# Altium PCB FPGA扩展板01.PcbDoc
Units mil, origin at the board's own origin, x right, y up, seen from the top; angles counter-clockwise.
Board outline 3937.01 x 3937.01 mil, 2 copper layers (Top Layer, Bottom Layer); 99 components, 130 nets, 429 pads, 98 vias.
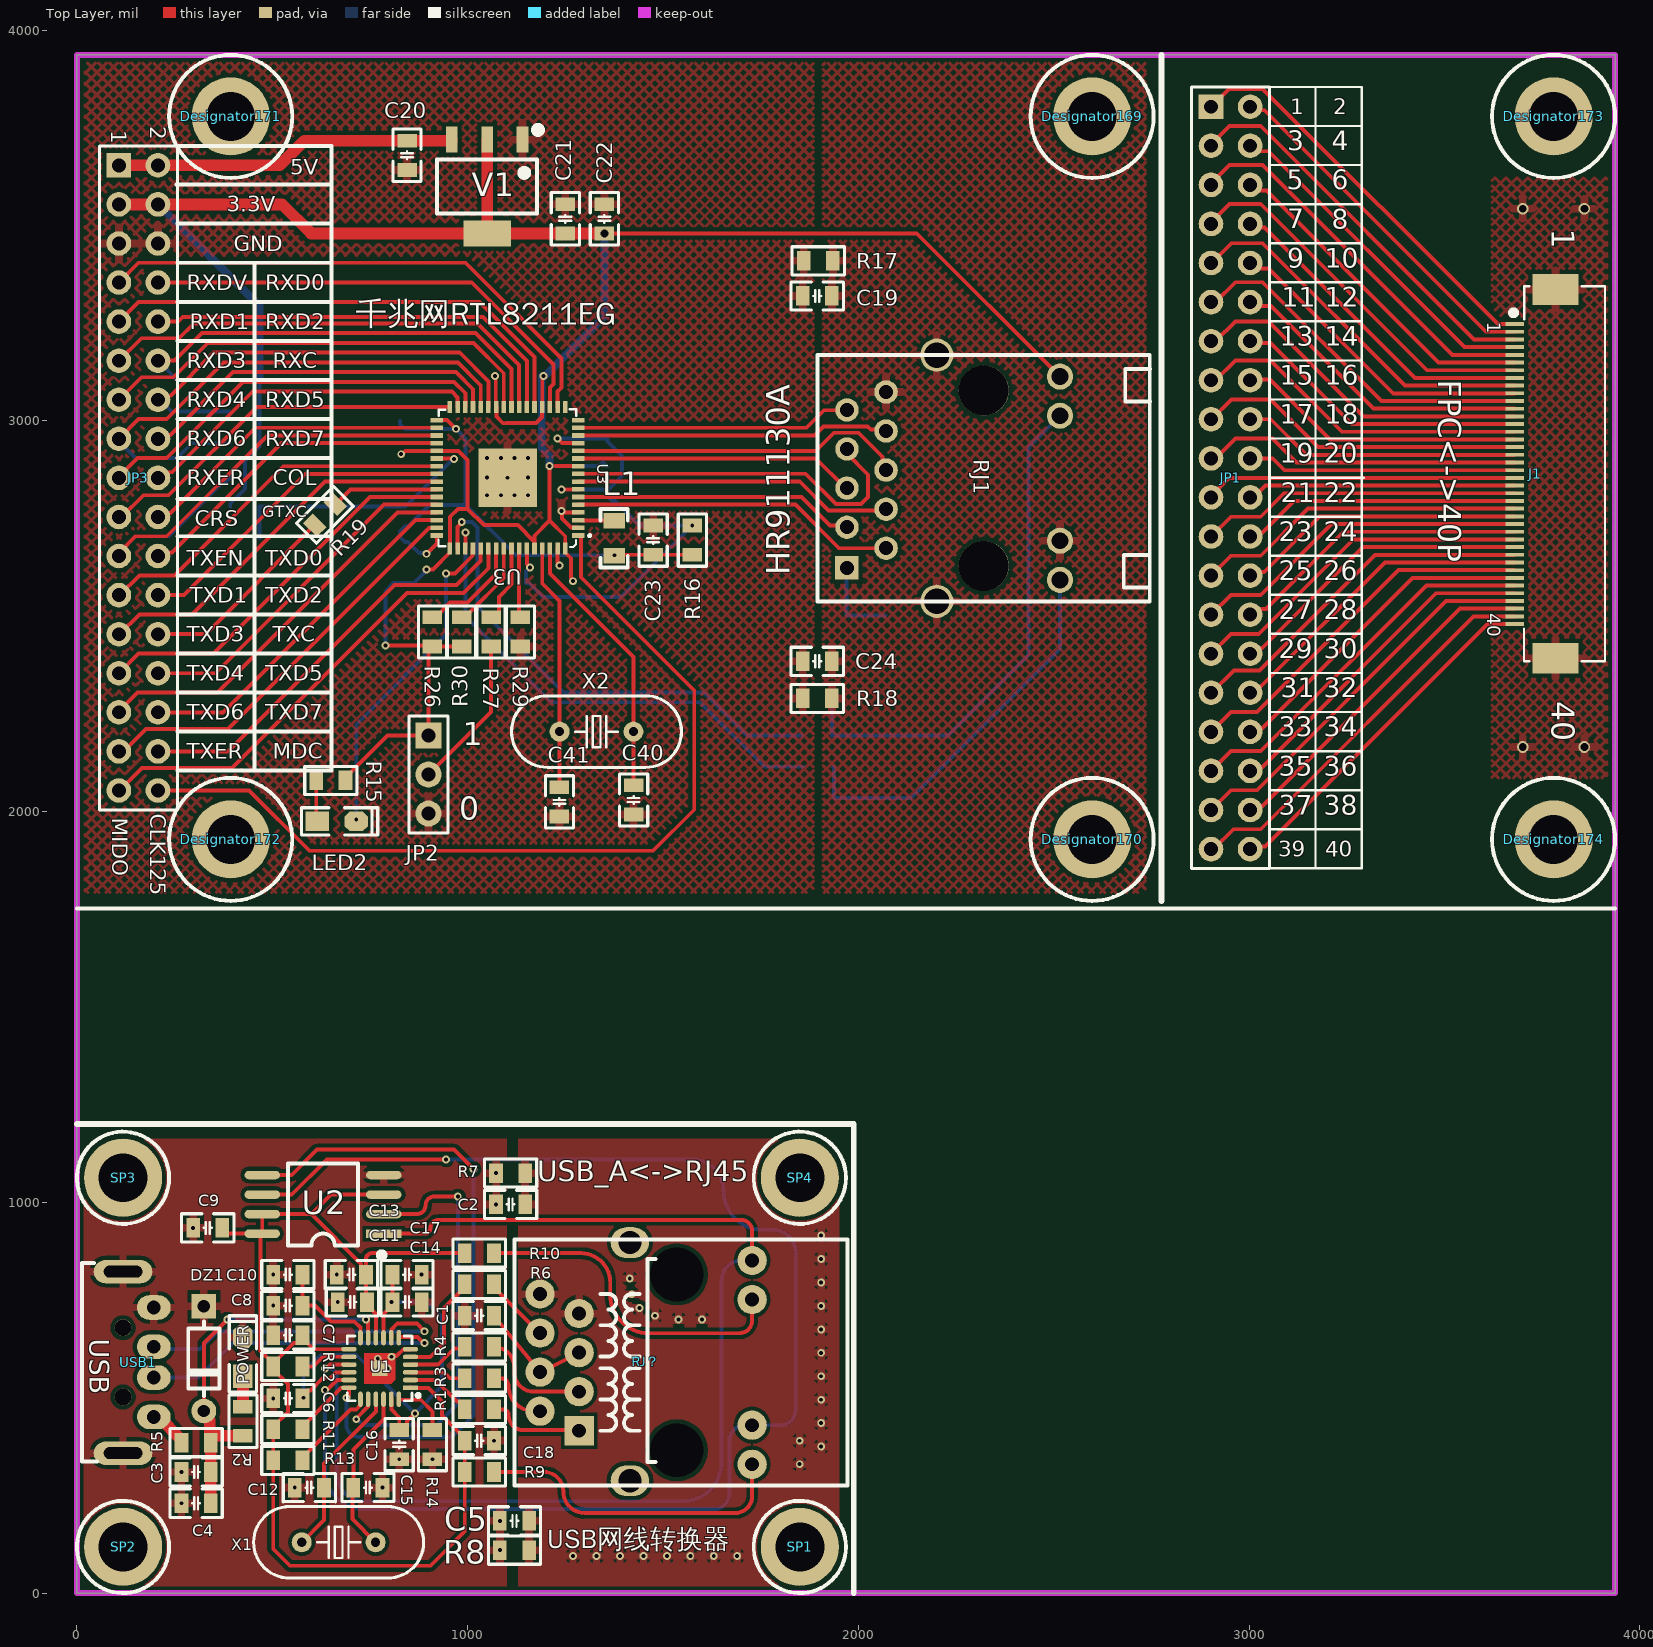
[diagram p0: Top Layer view]
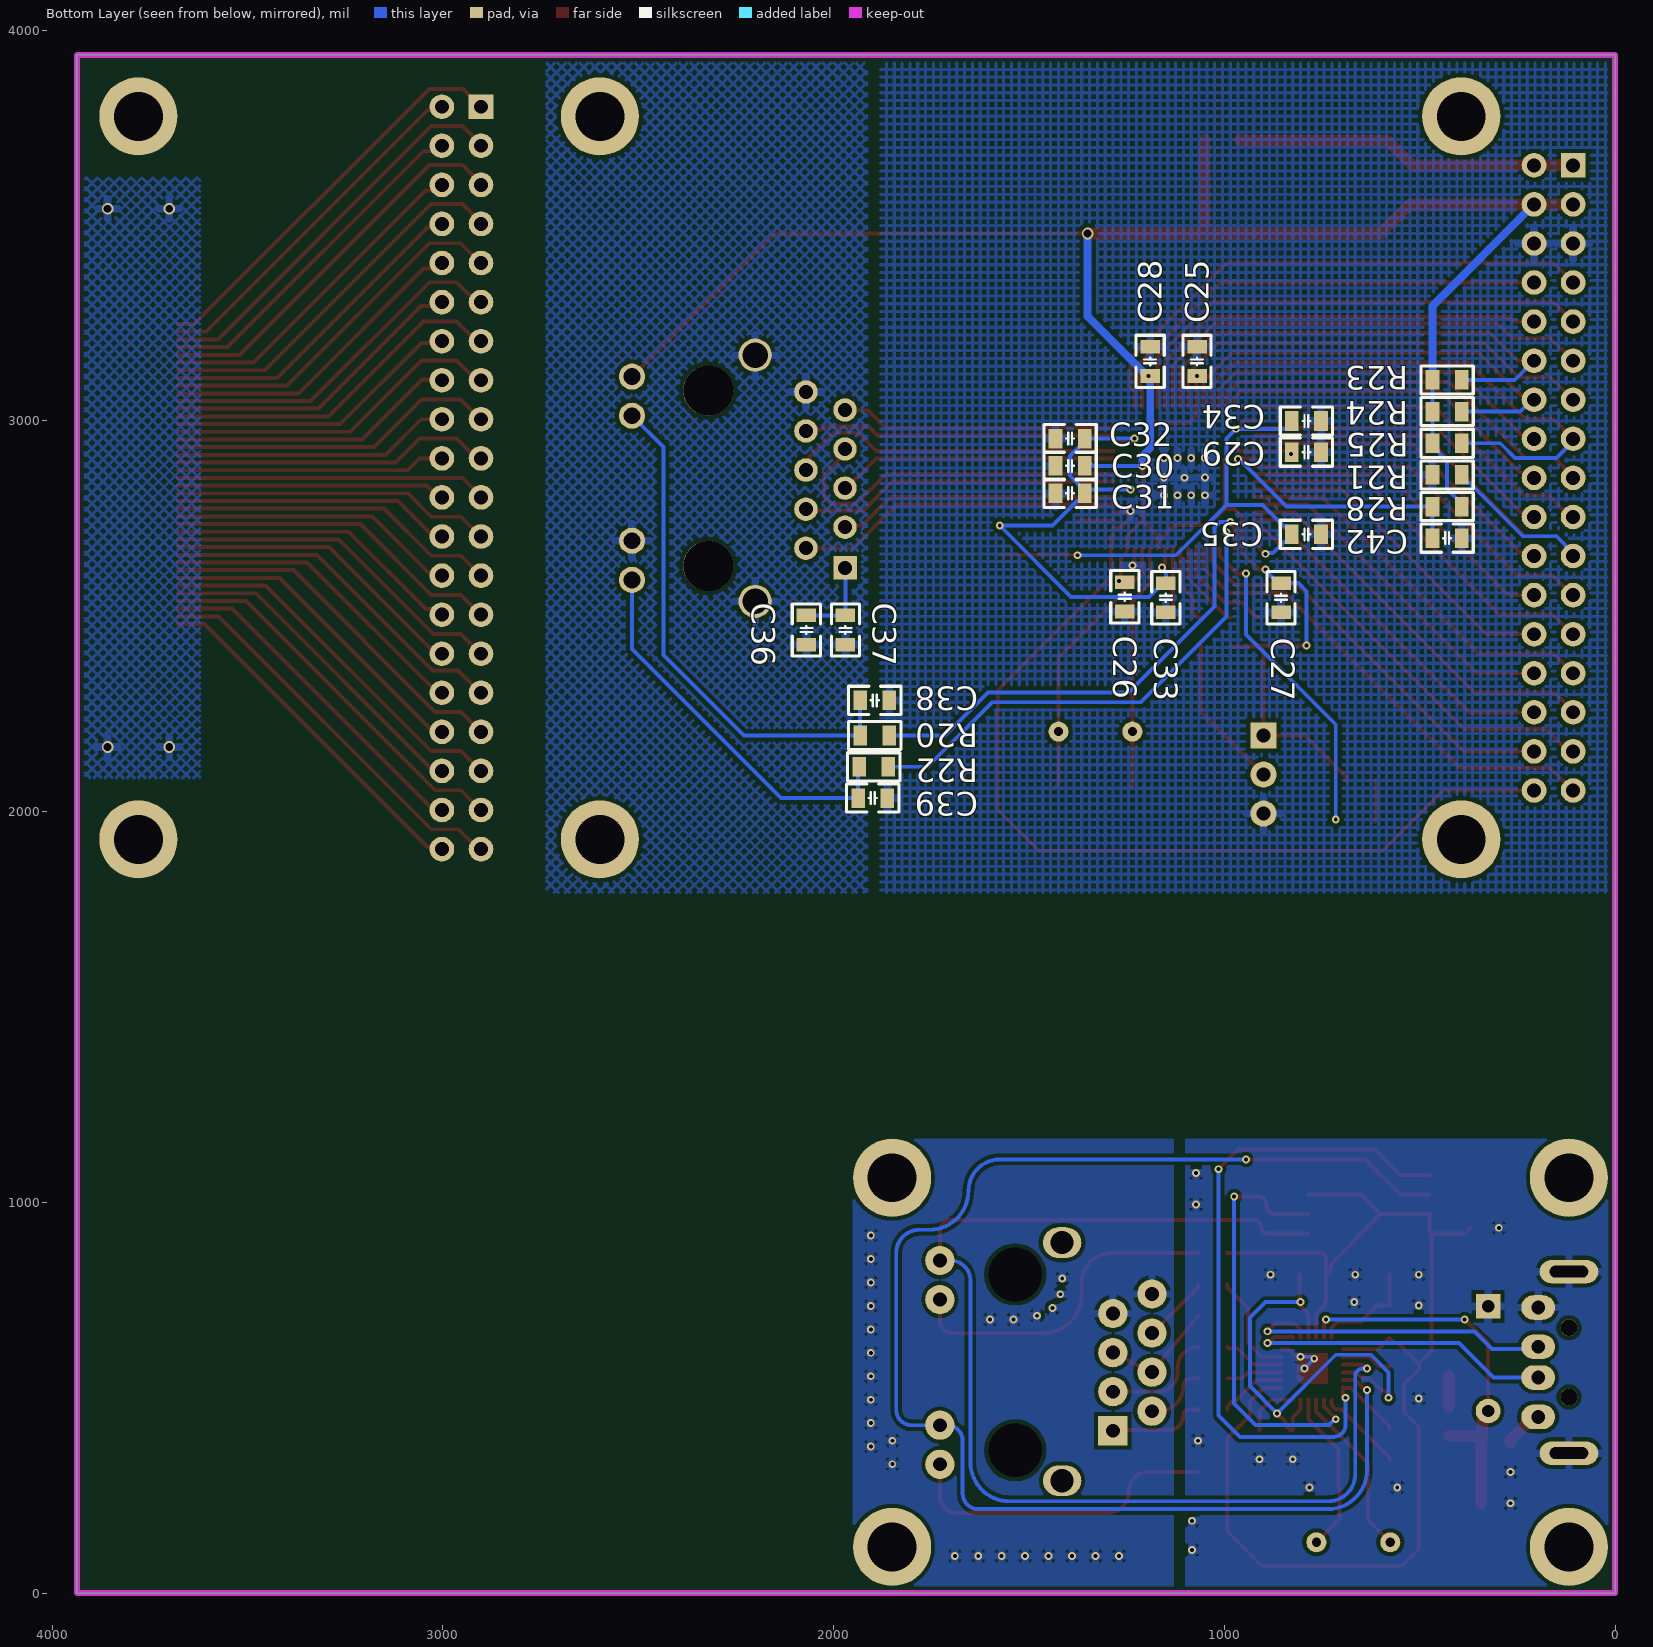
[diagram p1: Bottom Layer view, seen from below]

## Layer stack, top to bottom
Top Solder: solder mask 0.4, Solder Resist, Dk 3.5
Top Layer: signal copper 1.4
Dielectric 1: dielectric 12.6, FR-4, Dk 4.8
Bottom Layer: signal copper 1.4
Bottom Solder: solder mask 0.4, Solder Resist, Dk 3.5

## Board outline
0,0 3937.01,0 3937.01,3937.01 0,3937.01

## Design rules (kind name [scope] priority, off if disabled: settings)
Clearance [All] p1: gap=6 ignorepadtopadclearanceinfootprint=TRUE except(10: Arc-Fill Arc-Poly Arc-Region Track-Fill Track-Poly Track-Region SMDPad-Fill SMDPad-Poly SMDPad-Region THPad-Fill THPad-Poly THPad-Region Via-Fill Via-Poly Via-Region Fill-Fill Fill-Poly Fill-Region Poly-Poly Poly-Region Region-Region)
PlaneConnect [All] p1: planeconnectstyle=Relief reliefexpansion=20 reliefentries=4 reliefconductorwidth=20 reliefairgap=10
PolygonConnect [All] p1: connectstyle=Relief reliefconductorwidth=20 reliefentries=4 polygonreliefangle="90 Angle" airgapwidth=10
RoutingVias [All] p1: holewidth=28 width=50 viastyle="Through Hole" minholewidth=28 minwidth=50 maxholewidth=28 maxwidth=50
SolderMaskExpansion [All] p1: expansion=4 istentingtop=FALSE
Width [All] p1: maxlimit=30 minlimit=10 preferedwidth=10
29 further rules are at their usual default settings.

## Classes and differential pairs
component class FPGA扩展板01: C1 C2 C3 C4 C5 C6 C7 C8 C9 C10 C11 C12 C13 C14 C15 C16 C17 C18 C19 C20 C21 C22 C23 C24 C25 C26 C27 C28 C29 C30 C31 C32 C33 C34 C35 C36 C37 C38 C39 C40 C41 C42 DZ1 J1 JP1 JP2 JP3 L1 LED2 POWER R1 R2 R3 R4 R5 R6 R7 R8 R9 R10 R11 R12 R13 R14 R15 R16 R17 R18 R19 R20 R21 R22 R23 R24 R25 R26 R27 R28 R29 R30 RJ1 RJ？ SP1 SP2 SP3 SP4 U1 U2 U3 USB1 V1 X1 X2

## Components (designator, comment, footprint, x,y, rotation, side; value= is the part's Value field where it differs from the comment)
C1 "104" "C 0805_L" 1030,710 r180 top locked
C2 "104" "C 0805_L" 1110,995 r0 top locked
C3 "104" "C 0805_L" 305,310 r180 top locked
C4 "10uF" "C 0805_L" 305,230 r180 top locked
C5 "104" "C 0805_L" 1120,185 r0 top locked
C6 "104" "C 0805_L" 540,498.34 r0 top locked
C7 "104" "C 0805_L" 540,660 r180 top locked
C8 "105" "C 0805_L" 540,735.83 r180 top locked
C9 "104" "C 0805_L" 335,935 r0 top locked
C10 "104" "C 0805_L" 540,815 r180 top locked
C11 "105" "C 0805_L" 705,745 r180 top locked
C12 "27" "C 0805_L" 595,270 r0 top locked
C13 "104" "C 0805_L" 702.6,815 r180 top locked
C14 "105" "C 0805_L" 845,745 r0 top locked
C15 "27" "C 0805_L" 745,270 r180 top locked
C16 "104" "C 0805_L" 825,380 r90 top locked
C17 "104" "C 0805_L" 845,815 r0 top locked
C18 "104" "C 0805_L" 1030,390 r0 top locked
C19 "104" "C 0805_L" 1895,3320 r0 top
C20 "10u" "C 0805_L" 845,3680 r90 top
C21 "10u" "C 0805_L" 1250,3517.4 r270 top
C22 "104" "C 0805_L" 1350,3517.4 r270 top
C23 "10u" "C 0805_L" 1475,2695 r270 top
C24 "104" "C 0805_L" 1895,2385 r0 top
C25 "104" "C 0805_L" 1070,3152.4 r270 bottom
C26 "104" "C 0805_L" 1255,2550 r90 bottom
C27 "104" "C 0805_L" 855,2547.6 r90 bottom
C28 "104" "C 0805_L" 1190,3152.4 r270 bottom
C29 "104" "C 0805_L" 790,2920 r0 bottom
C30 "104" "C 0805_L" 1395,2885 r180 bottom
C31 "104" "C 0805_L" 1395,2815 r180 bottom
C32 "104" "C 0805_L" 1395,2955 r180 bottom
C33 "104" "C 0805_L" 1150,2547.6 r90 bottom
C34 "104" "C 0805_L" 790,3000 r0 bottom
C35 "104" "C 0805_L" 790,2710 r0 bottom
C36 "104" "C 0805_L" 2070,2465 r270 bottom
C37 "104" "C 0805_L" 1970,2465 r270 bottom
C38 "104" "C 0805_L" 1895,2285 r180 bottom
C39 "104" "C 0805_L" 1900,2035 r180 bottom
C40 "27" "C 0805_L" 1425,2030 r270 top
C41 "27" "C 0805_L" 1235,2025 r270 top
C42 "104" "C 0805_L" 430,2700 r180 bottom
Designator169 "Comment" M3x10_L 2598.43,3779.53 r0 top locked
Designator170 "Comment" M3x10_L 2598.43,1929.13 r0 top locked
Designator171 "Comment" M3x10_L 393.7,3779.53 r0 top locked
Designator172 "Comment" M3x10_L 393.7,1929.13 r0 top locked
Designator173 "Comment" M3x10_L 3779.53,3779.53 r0 top locked
Designator174 "Comment" M3x10_L 3779.53,1929.13 r0 top locked
DZ1 "1N4625" DO-35 325,600 r270 top locked
J1 "RGBLCD" FPC-TOP40 3676,3248.03 r270 top locked
JP1 "Header 2X11" HDR2.54-LI-2x20P 2952.76,2854.33 r270 top locked
JP2 "HDR-1X3" HDR2.54-LI-3P 900,2095 r270 top
JP3 "Header 2X11" HDR2.54-LI-2x17P 157.48,2854.33 r270 top locked
L1 "22uH" "L 0805" 1375,2700 r270 top
LED2 "红色" "LED 0805G" 665,1975 r0 top
POWER "红色" "LED 0805G" 425,605 r90 top locked (schematic designator LED1)
R1 "50R" "R 0805_L" 1030,470 r0 top locked
R2 "10K" "R 0805_L" 425,440 r90 top locked
R3 "50R" "R 0805_L" 1030,550 r0 top locked
R4 "50R" "R 0805_L" 1030,630 r0 top locked
R5 "0" "R 0805_L" 305,385 r0 top locked
R6 "50R" "R 0805_L" 1030,790 r0 top locked
R7 "0" "R 0805_L" 1110,1075 r0 top locked
R8 "0" "R 0805_L" 1120,110 r0 top locked
R9 "1K" "R 0805_L" 1030,310 r0 top locked
R10 "1K" "R 0805_L" 1030,870 r0 top locked
R11 "10K" "R 0805_L" 540,419.16 r180 top locked
R12 "10K" "R 0805_L" 540,580 r180 top locked
R13 "10K" "R 0805_L" 540,340 r0 top locked
R14 "2.49KK" "R 0805_L" 910,380 r270 top locked
R15 "1K" "R 0805_L" 650,2080 r180 top
R16 "0" "R 0805_L" 1575,2695 r90 top
R17 "0" "R 0805_L" 1897.6,3410 r0 top
R18 "0" "R 0805_L" 1895,2290 r0 top
R19 "33" "R 0805_L" 635,2760 r45 top
R20 "510R" "R 0805_L" 1895,2195 r0 bottom
R21 "1k" "R 0805_L" 430,2861.99 r180 bottom
R22 "510R" "R 0805_L" 1897.6,2115 r0 bottom
R23 "10k" "R 0805_L" 430,3105 r180 bottom
R24 "10k" "R 0805_L" 430,3024 r180 bottom
R25 "10k" "R 0805_L" 430,2943 r180 bottom
R26 "10k" "R 0805_L" 910,2460 r90 top
R27 "1k" "R 0805_L" 1060,2460 r90 top
R28 "10k" "R 0805_L" 430,2780.99 r0 bottom
R29 "2.49k" "R 0805_L" 1135,2460 r90 top
R30 "10k" "R 0805_L" 985,2460 r90 top
RJ1 "HR911130A" RJ_45 2559.06,2940.94 r270 top locked
RJ？ "HR911105A" RJ-45A12 1535.43,590.55 r90 top locked
SP1 "M3铜柱" M3x10+6_L 1850.39,118.11 r0 top locked
SP2 "M3铜柱" M3x10+6_L 118.11,118.11 r0 top locked
SP3 "M3铜柱" M3x10+6_L 118.11,1062.99 r0 top locked
SP4 "M3铜柱" M3x10+6_L 1850.39,1062.99 r0 top locked
U1 "SR9900" "QFN24 4x4_M" 775,575 r90 top locked
U2 "MX25L1606EM1I-12G" SOP8W_N 630,995 r180 top locked
U3 "RTL8211DG/EG" QFN65-050-0909 1102.36,2854.33 r90 top
USB1 "USB" USB_A/P_A 118.11,590.55 r270 top locked
V1 "AMS1117-3V3" SOT223_L 1050,3600 r180 top
X1 "25MHz" "OSC HC-49S" 670,130 r180 top locked
X2 "25MHz" "OSC HC-49S" 1330,2205 r0 top

## Footprints (in the part's own frame and the unit in brackets; to place one, negate y for a bottom-side part, rotate by r counter-clockwise, add the part's x,y. Pads: shape width x height; smd on the part's side, far side on the other; paste and mask are expansions set on the pad)
"C 0805_L" [mil] "无极性贴片电容                                        淘宝ID:黄晶宝石"
  rect 35x50 smd: 1(-37.4,0) 2(37.4,0)
  silkscreen extent -67,-36 67,36, body extent -39,-24 39,24, height 20
DO-35 [mm] "1.8*6.8mm(直径，脚距）"
  rect 1.6x1.6 hole 0.8: 1(-3.4,0)
  round 1.6 hole 0.8: 2(3.4,0)
  silkscreen extent -2.41,-1.02 2.41,1.02, body extent -3.65,-0.9 3.65,0.9, height 1.85
FPC-TOP40 [mm]
  rect 0.25x1.2 smd: 1(0,0.102) 2(0.5,0.102) 3(1,0.102) 4(1.5,0.102) 5(2,0.102) 6(2.5,0.102) 7(3,0.102) 8(3.5,0.102) 9(4,0.102) 10(4.5,0.102) 11(5,0.102) 12(5.5,0.102) 13(6,0.102) 14(6.5,0.102) 15(7,0.102) 16(7.5,0.102) 17(8,0.102) 18(8.5,0.102) 19(9,0.102) 20(9.5,0.102) 21(10,0.102) 22(10.5,0.102) 23(11,0.102) 24(11.5,0.102) 25(12,0.102) 26(12.5,0.102) 27(13,0.102) 28(13.5,0.102) 29(14,0.102) 30(14.5,0.102) 31(15,0.102) 32(15.5,0.102) 33(16,0.102) 34(16.5,0.102) 35(17,0.102) 36(17.5,0.102) 37(18,0.102) 38(18.5,0.102) 39(19,0.102) 40(19.5,0.102)
  rect 2x3 smd: A(-2.25,2.754) B(21.725,2.754)
  silkscreen extent -2.45,-0.15 21.92,5.97
HDR2.54-LI-2x17P [mm] "双排排针，17x2脚  淘宝ID:黄晶宝石   店铺网址:https://shop463601444.taobao.com"
  rect 1.6x1.6 hole 0.9: 1(-20.32,-1.27)
  round 1.6 hole 0.9: 2(-20.32,1.27) 3(-17.78,-1.27) 4(-17.78,1.27) 5(-15.24,-1.27) 6(-15.24,1.27) 7(-12.7,-1.27) 8(-12.7,1.27) 9(-10.16,-1.27) 10(-10.16,1.27) 11(-7.62,-1.27) 12(-7.62,1.27) 13(-5.08,-1.27) 14(-5.08,1.27) 15(-2.54,-1.27) 16(-2.54,1.27) 17(0,-1.27) 18(0,1.27) 19(2.54,-1.27) 20(2.54,1.27) 21(5.08,-1.27) 22(5.08,1.27) 23(7.62,-1.27) 24(7.62,1.27) 25(10.16,-1.27) 26(10.16,1.27) 27(12.7,-1.27) 28(12.7,1.27) 29(15.24,-1.27) 30(15.24,1.27) 31(17.78,-1.27) 32(17.78,1.27) 33(20.32,-1.27) 34(20.32,1.27)
  silkscreen extent -21.59,-2.54 21.59,2.54, body extent -21.59,-2.54 21.59,2.54, height 8.5
HDR2.54-LI-2x20P [mm] "双排排针，20x2脚"
  rect 1.6x1.6 hole 0.9: 1(-24.13,-1.27)
  round 1.6 hole 0.9: 2(-24.13,1.27) 3(-21.59,-1.27) 4(-21.59,1.27) 5(-19.05,-1.27) 6(-19.05,1.27) 7(-16.51,-1.27) 8(-16.51,1.27) 9(-13.97,-1.27) 10(-13.97,1.27) 11(-11.43,-1.27) 12(-11.43,1.27) 13(-8.89,-1.27) 14(-8.89,1.27) 15(-6.35,-1.27) 16(-6.35,1.27) 17(-3.81,-1.27) 18(-3.81,1.27) 19(-1.27,-1.27) 20(-1.27,1.27) 21(1.27,-1.27) 22(1.27,1.27) 23(3.81,-1.27) 24(3.81,1.27) 25(6.35,-1.27) 26(6.35,1.27) 27(8.89,-1.27) 28(8.89,1.27) 29(11.43,-1.27) 30(11.43,1.27) 31(13.97,-1.27) 32(13.97,1.27) 33(16.51,-1.27) 34(16.51,1.27) 35(19.05,-1.27) 36(19.05,1.27) 37(21.59,-1.27) 38(21.59,1.27) 39(24.13,-1.27) 40(24.13,1.27)
  silkscreen extent -25.4,-2.54 25.4,2.54, body extent -25.4,-2.54 25.4,2.54, height 8.5
HDR2.54-LI-3P [mm] "排针，3脚"
  rect 1.7x1.7 hole 0.9: 1(-2.54,0)
  round 1.7 hole 0.9: 2(0,0) 3(2.54,0)
  silkscreen extent -3.81,-1.27 3.81,1.27, body extent -3.81,-1.27 3.81,1.27, height 8.5
"L 0805" [mil] "小功率贴片电感        淘宝ID:黄晶宝石"
  rect 40x55 smd: 1(-45,0) 2(45,0)
  silkscreen extent -75,-35 75,35, body extent -39,-24 39,24, height 35
"LED 0805G" [mil] "绿色0805LED                              淘宝ID:黄晶宝石"
  rect 60x50 smd: 1(-50,0)
  oct 60x50 smd: 2(50,0)
  silkscreen extent -90,-35 105,35, body extent -39,-25 39,25, height 32
M3x10+6_L [mil] "M3铜柱，长：10mm，螺纹长：6mm"
  round 200 hole 125: 1(0,0)
  silkscreen extent -118,-118 118,118, body extent -106,-93 106,93, height 396
M3x10_L [mil] "M3铜柱，长：10mm"
  round 200 hole 125: 1(0,0)
  silkscreen extent -157,-157 157,157, body extent -106,-93 106,93, height 396
"OSC HC-49S" [mm] "封装库来自淘宝卖家 ID：黄晶宝石"
  round 1.3 hole 0.6: 1(-2.4,0) 2(2.4,0)
  silkscreen extent -5.52,-2.32 5.52,2.33, body extent -5.52,-2.32 5.53,2.33, height 4.13
"QFN24 4x4_M" [mm] "24脚，长x宽x高：4x4x1mm，脚距：0.5mm"
  rect 0.3x1 smd: 1(-1.25,-2)
  oval 0.3x1 smd: 2(-0.75,-2) 3(-0.25,-2) 4(0.25,-2) 5(0.75,-2) 6(1.25,-2) 13(1.25,2) 14(0.75,2) 15(0.25,2) 16(-0.25,2) 17(-0.75,2) 18(-1.25,2)
  oval 1x0.3 smd: 7(2,-1.25) 8(2,-0.75) 9(2,-0.25) 10(2,0.25) 11(2,0.75) 12(2,1.25) 19(-2,1.25) 20(-2,0.75) 21(-2,0.25) 22(-2,-0.25) 23(-2,-0.75) 24(-2,-1.25)
  rect 1x1 smd: 25(0,0)
  Top Layer region: -1,1 1,1 1,-1 -0.75,-1 -1,-0.75
  silkscreen extent -2.11,-2.6 2.11,2.11, body extent -2.01,-2.01 2.01,2.01, height 0.95
QFN65-050-0909 [mil] "QFN65-050-0909"
  rect 11.81x31.5 smd: 1(-147.34,-181.13) 2(-127.65,-181.13) 3(-107.97,-181.13) 4(-88.28,-181.13) 5(-68.6,-181.13) 6(-48.91,-181.13) 7(-29.23,-181.13) 8(-9.54,-181.13) 9(10.14,-181.13) 10(29.83,-181.13) 11(49.51,-181.13) 12(69.2,-181.13) 13(88.88,-181.13) 14(108.57,-181.13) 15(128.25,-181.13) 16(147.94,-181.13) 33(147.94,181.07) 34(128.25,181.07) 35(108.57,181.07) 36(88.88,181.07) 37(69.2,181.07) 38(49.51,181.07) 39(29.83,181.07) 40(10.14,181.07) 41(-9.54,181.07) 42(-29.23,181.07) 43(-48.91,181.07) 44(-68.6,181.07) 45(-88.28,181.07) 46(-107.97,181.07) 47(-127.65,181.07) 48(-147.34,181.07)
  rect 31.5x11.81 smd: 17(181.4,-147.67) 18(181.4,-127.98) 19(181.4,-108.3) 20(181.4,-88.61) 21(181.4,-68.93) 22(181.4,-49.24) 23(181.4,-29.56) 24(181.4,-9.87) 25(181.4,9.81) 26(181.4,29.5) 27(181.4,49.18) 28(181.4,68.87) 29(181.4,88.55) 30(181.4,108.24) 31(181.4,127.92) 32(181.4,147.61) 49(-180.8,147.61) 50(-180.8,127.92) 51(-180.8,108.24) 52(-180.8,88.55) 53(-180.8,68.87) 54(-180.8,49.18) 55(-180.8,29.5) 56(-180.8,9.81) 57(-180.8,-9.87) 58(-180.8,-29.56) 59(-180.8,-49.24) 60(-180.8,-68.93) 61(-180.8,-88.61) 62(-180.8,-108.3) 63(-180.8,-127.98) 64(-180.8,-147.67)
  rect 149.61x149.61 smd: 65(0.3,-0.03)
  silkscreen extent -177,-213 175,177
"R 0805_L" [mil] "1/8W贴片电阻"
  rect 35x50 smd: 1(-37.4,0) 2(37.4,0)
  silkscreen extent -67,-36 67,36, body extent -39,-25 39,25, height 20
RJ-45A12 [mm] "网线接口"
  oval 2x2.5 hole 1.5: 0(-7.695,3.05) 0(7.785,3.05)
  round 3.302 hole 3.5: 0(-5.715,0) 0(5.715,0)
  rect 1.905x1.905 hole 0.9: 1(-4.445,6.35)
  round 1.905 hole 0.9: 2(-3.175,8.89) 3(-1.905,6.35) 4(-0.635,8.89) 5(0.635,6.35) 6(1.905,8.89) 7(3.175,6.35) 8(4.445,8.89) 9(-6.625,-4.9) 10(-4.085,-4.9) 11(4.085,-4.9) 12(6.625,-4.9)
  silkscreen extent -8,-11.1 8,10.54, body extent -7.97,-10.93 7.91,10.47, height 1.5
RJ_45 [mil] "以太网网口"
  round 66.93 hole 43.31: 11(347.5,-43) 12(247.5,-43) 13(-72.5,-43) 14(-172.5,-43)
  rect 60x60 hole 35.83: P1(317.13,-588.24)
  round 60 hole 35.83: P2(266.6,-488) P3(212.7,-588) P4(166.6,-488) P5(112.7,-588) P6(66.6,-488) P7(12.7,-588) P8(-33.4,-488) P9(-87.3,-588) P10(-133.4,-488)
  round 85 hole 65: SHIELD0(-227.5,-358.1) SHIELD1(402.5,-358.1)
  round 127.95 hole 127.95 unplated: ""(-136.9,-238) ""(311.9,-238)
  silkscreen extent -228,-663 403,187
SOP8W_N [mm] "5.3*8.3*1.8mm（长宽高）"
  rect 2.3x0.55 smd: 1(-3.95,1.905)
  oval 2.3x0.55 smd: 2(-3.95,0.635) 3(-3.95,-0.635) 4(-3.95,-1.905) 5(3.95,-1.905) 6(3.95,-0.635) 7(3.95,0.635) 8(3.95,1.905)
  silkscreen extent -3.94,-2.67 2.29,3.43, body extent -3.94,-2.64 3.94,2.64, height 1.9
SOT223_L [mm] "6.4x7x1.6mm(长宽高)"
  rect 0.75x1.7 smd: 1(-2.3,-3.048) 2(0,-3.048) 3(2.3,-3.048)
  rect 3.1x1.7 smd: 2(0,3.048)
  silkscreen extent -3.5,-3.88 3.25,1.75, body extent -3.25,-3.51 3.25,3.51, height 1.65
USB_A/P_A [mm] "A型USB 插头，20*13*4.5mm"
  round 1.1 hole 1.1: 0(-2.25,0) 0(2.25,0)
  oval 1.6x2.2 hole 0.9: 1(3.543,2) 2(0.987,2) 3(-1.013,2) 4(-3.569,2)
  oval 1.524x3.81 hole 0.762 slot 2.5 at 90 deg: 4(-5.9,0) 4(5.9,0)
  silkscreen extent -6.45,-2.67 6.45,-1.7, body extent -6.47,-17.9 6.47,2.1, height 3.25

## Part data
C1 C2 C3 C4 C5 C6 C7 C8 C9 C10 C11 C12 C13 C14 C15 C16 C17 C18 C19 C20 C21 C22 C23 C24 C25 C26 C27 C28 C29 C30 C31 C32 C33 C34 C35 C36 C37 C38 C39 C40 C41 C42: library part C, "贴片电容", BOM名称=无极性贴片电容, 联系售后=https://shop463601444.taobao.com, 淘宝ID="封装库来自淘宝 ID：黄晶宝石"
DZ1: "5.1V/0.5W稳压管", BOM名称=5.1V/0.5W稳压管, 版权归属="封装库来自淘宝 ID：黄晶宝石", 学习资源=www.ooocke.com
J1: library part FPC-40, "FPC-40P-0.5mm"
JP1: library part "Header 20X2", "20*2P接插件", BOM名称=20*2P接插件, 版权归属="封装库来自淘宝 ID：黄晶宝石", 学习资源=https://shop463601444.taobao.com
JP2: library part "Header 3", "3P接插件", BOM名称=3P接插件, 版权归属="封装库来自淘宝 ID：黄晶宝石", 学习资源=https://shop463601444.taobao.com
JP3: library part "Header 17X2", "17*2P接插件", BOM名称=17*2P接插件, 版权归属="封装库来自淘宝 ID：黄晶宝石", 学习资源=https://shop463601444.taobao.com
L1: library part L, "小功率贴片电感", BOM名称=小功率贴片电感, 联系售后=https://shop463601444.taobao.com, 淘宝ID="封装库来自淘宝 ID：黄晶宝石"
LED2 POWER: library part LED-SMD, "贴片LED", BOM名称=贴片LED, 版权归属="封装库来自淘宝 ID：黄晶宝石", 学习资源=https://shop463601444.taobao.com
R1 R2 R3 R4 R5 R6 R7 R8 R9 R10 R11 R12 R13 R14 R15 R16 R17 R18 R19 R20 R21 R22 R23 R24 R25 R26 R27 R28 R29 R30: library part R, "贴片电阻", BOM名称=贴片电阻, 版权归属="来自淘宝 ID：黄晶宝石", 联系售后=https://shop463601444.taobao.com
RJ1: "RJ_45网口", BOM_Manufacturer=HANRUN, BOM_Manufacturer Part=HR911130A, BOM_Supplier=LCSC, BOM_Supplier Part=C54408, spicePre=R, spiceSymbolName=HR911130A
RJ？: "带灯以太网接口", BOM名称=带灯以太网接口, 版权归属="封装库来自淘宝 ID：黄晶宝石", 学习资源=https://shop463601444.taobao.com
SP1 SP2 SP3 SP4: library part 铜柱加头小焊盘, "铜柱", BOM名称=铜柱, 版权归属="封装库来自淘宝 ID：黄晶宝石", 学习资源=https://shop463601444.taobao.com
USB1: library part USB-A/P, "USB-A型公接口", BOM名称=USB-A型公接口, 版权归属=源创客, 学习资源=www.ooocke.com
V1: library part AMS1117, "三端稳压芯片", BOM名称=稳压芯片, 欢迎光临淘宝店铺=https://shop463601444.taobao.com, 淘宝ID="封装库来自淘宝 ID：黄晶宝石"
X1 X2: library part XTAL-2P, "2脚无源脚晶振", BOM名称=2脚无源脚晶振, 版权归属=源创客, 学习资源=www.ooocke.com

## Via types
v1: diameter 20, hole 10, Top Layer to Bottom Layer, tented both sides, 93 vias
v2: diameter 30, hole 20, Top Layer to Bottom Layer, tented both sides, 5 vias
